# KiCad board Djinn.kicad_pcb (continued)
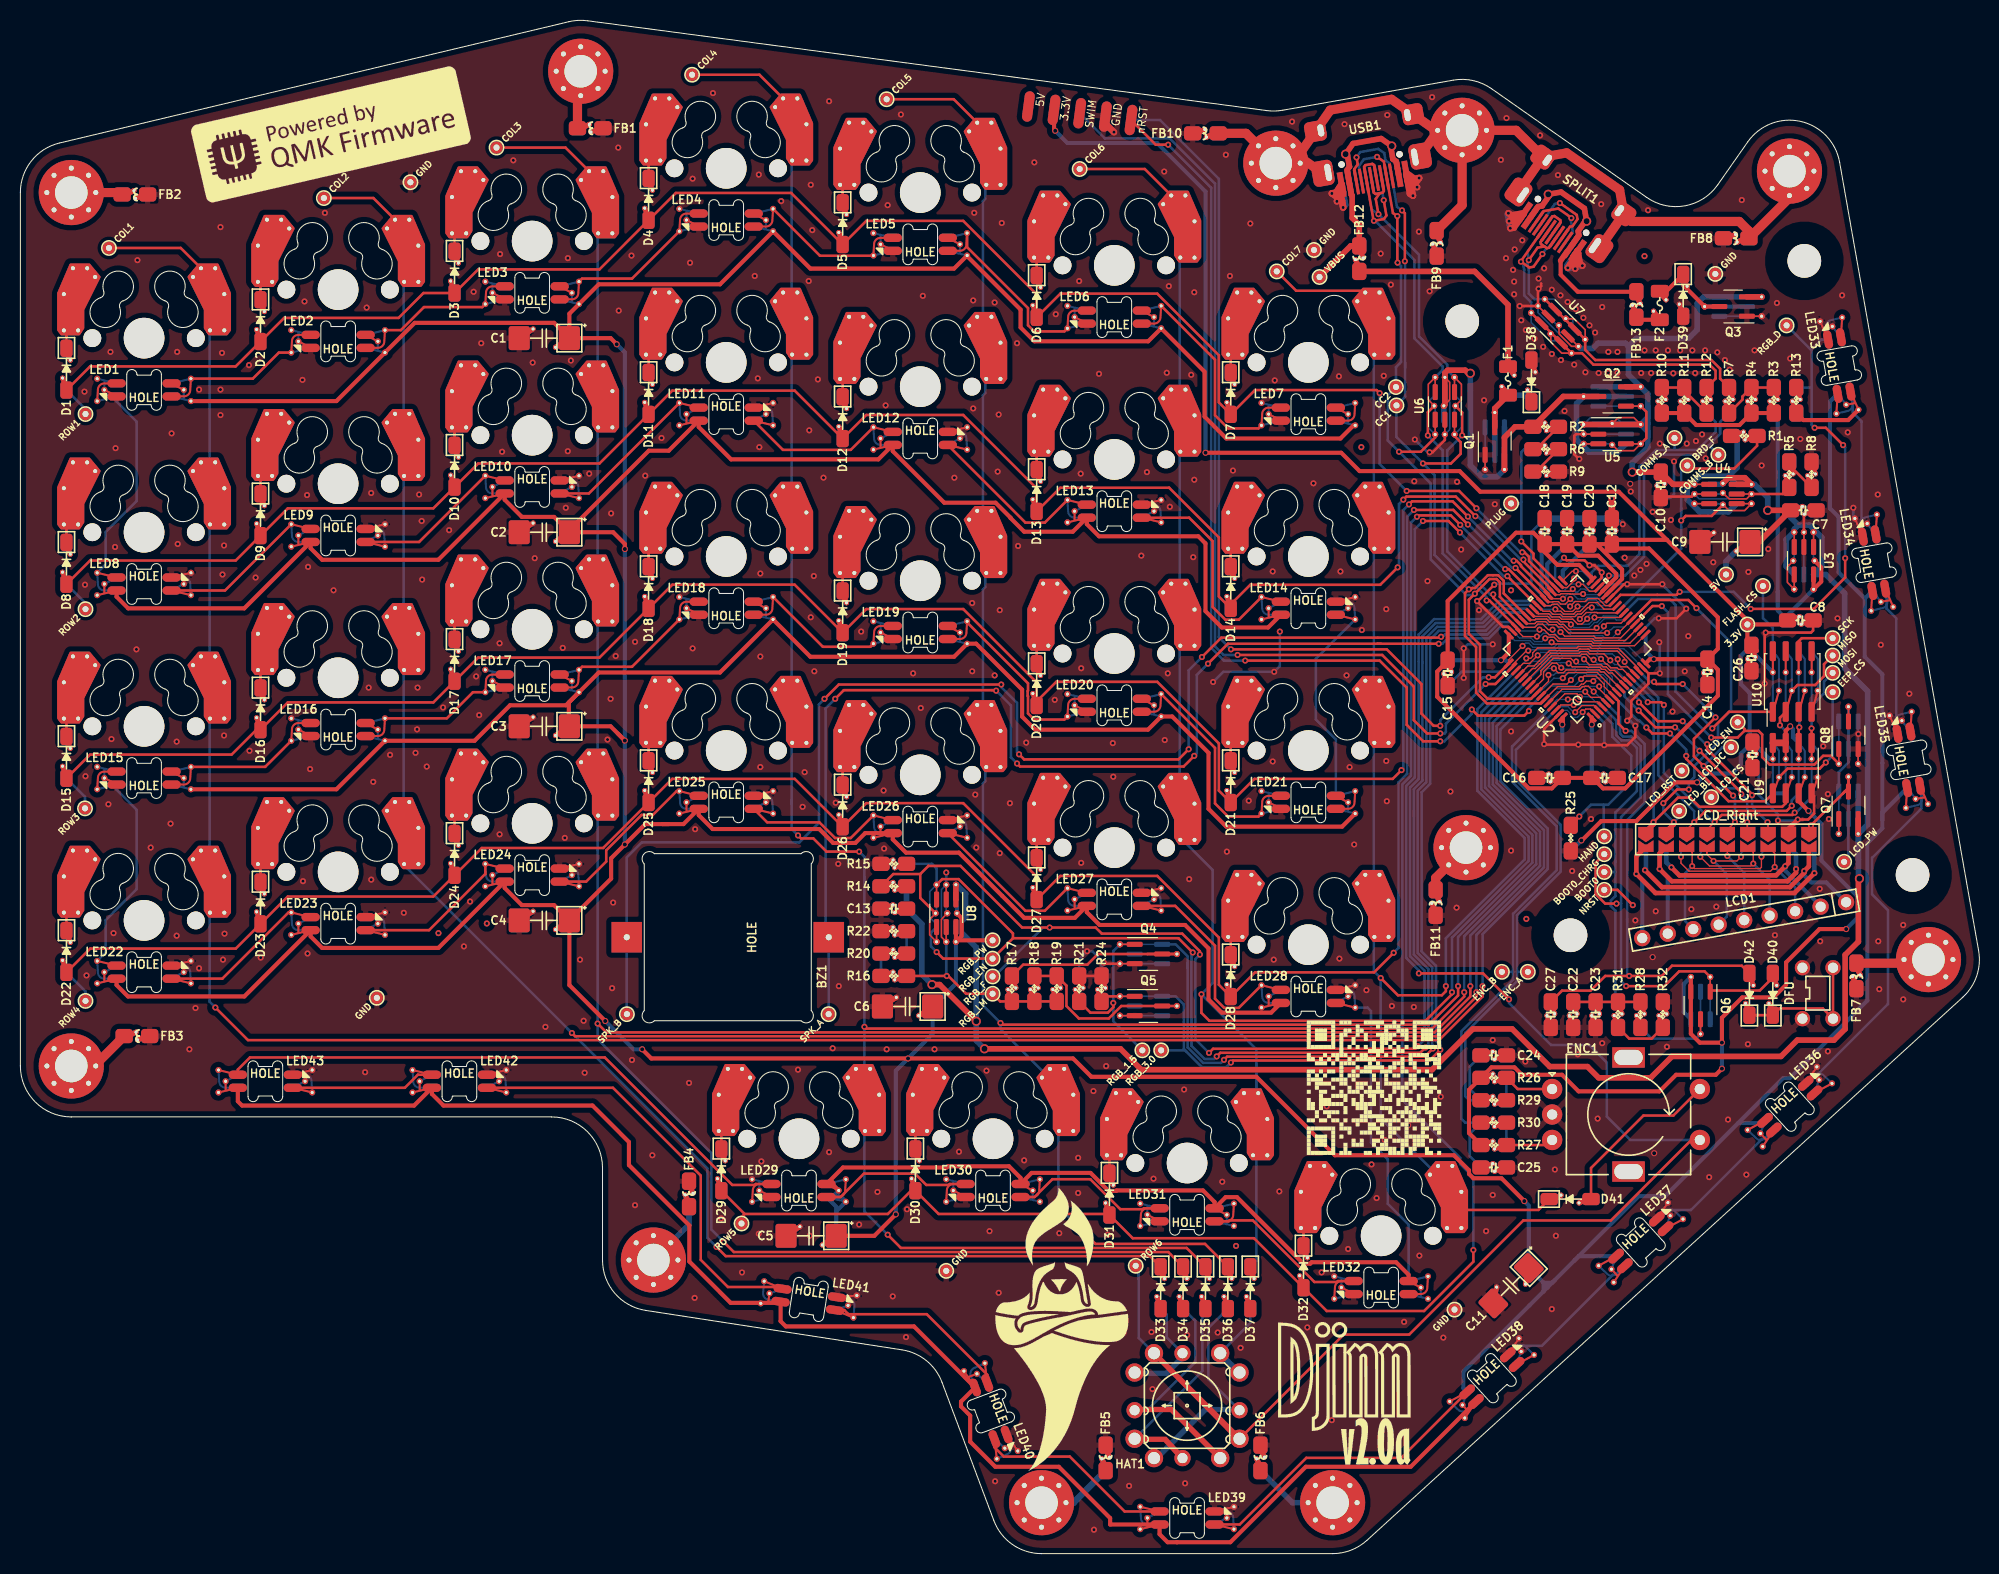
[diagram p0: board, top side]
## Footprints (pads in the part's own frame, mm; a bottom-side part is the same pattern mirrored in y, then rotated) (continued)
  round 1.75 hole 1.75 unplated: (-5.08,0) (5.08,0)
  round 3.988 hole 3.988 unplated: (0,0)
  round 0.8 hole 0.4: 1(-7.874,4.318) 1(-7.874,0.762) 1(-6.985,6.858) 1(-6.477,0.762) 1(-5.588,6.858) 1(-4.8,6) 2(4.8,6) 2(5.588,6.858) 2(6.477,0.762) 2(6.985,6.858) 2(7.874,4.318) 2(7.874,0.762)
  custom 2.35x2.5 smd far side: 1(-7.285,2.54)
  rect 2.35x2.5 smd far side: 1(-7.2,2.54)
  custom 2.15x2.5 smd: 1(-6.499,5.067)
  rect 2.15x2.5 smd: 1(-6.399,5.067)
  rect 2.15x2.5 smd far side: 2(6.425,5.067)
  custom 2.15x2.5 smd far side: 2(6.425,5.067)
  rect 2.35x2.5 smd: 2(7.212,2.54)
  custom 2.35x2.5 smd: 2(7.212,2.54)
Piezo-KLJ-1625
  rect 3x3 hole 0.6: 1(0,9.916) 2(0,-9.916)
PushButton_4.5mm
  round 1.5 hole 1: 1(-1.5,2.5) 1(-1.5,-2.5) 2(1.5,2.5) 2(1.5,-2.5)
R-0805_2012Metric
  rrect 1.701x1.4 smd: 1(-1.251,0) 2(1.251,0)
R-0805_2012Metric#2
  rrect 1.701x1.4 smd: 1(-1.251,0) 2(1.251,0)
  rrect 1.701x1.4 smd far side: 1(-1.251,0) 2(1.251,0)
  custom 1.262x0.881 smd: 1(-0.851,0) 2(0.851,0)
  custom 1.262x0.881 smd far side: 1(-0.851,0) 2(0.851,0)
  round 0.5 hole 0.3: 1(-0.089,0.381) 2(0.07,-0.381)
SK6812Mini-E
  custom 1.433x0.835 smd: 1(2.7,0.64) 3(-2.7,-0.64)
  oval 1.8x0.82 smd: 1(2.7,0.64) 2(2.7,-0.64) 3(-2.7,-0.64) 4(-2.7,0.64)
  custom 2.133x1.3 smd far side: 1(2.7,-0.64) 3(-2.7,0.64)
  oval 1.8x0.82 smd far side: 1(2.7,-0.64) 2(2.7,0.64) 3(-2.7,0.64) 4(-2.7,-0.64)
  round 0.6 hole 0.3: 1(3.9,0) 1(4.6,-1.1) 2(4.6,1.1) 3(-4.6,1.1) 3(-3.9,0) 4(-4.6,-1.1)
  custom 2.1x0.665 smd far side: 2(2.7,0.64) 4(-2.7,-0.64)
  custom 2.1x1.935 smd: 2(2.7,-0.64) 4(-2.7,0.64)
SOIC-8_3.9x4.9mm_P1.27mm
  custom 1.908x0.913 smd: 1(-2.5,1.905)
  rrect 1.95x0.6 smd: 1(-2.475,1.905) 2(-2.475,0.635) 3(-2.475,-0.635) 4(-2.475,-1.905) 5(2.475,-1.905) 6(2.475,-0.635) 7(2.475,0.635) 8(2.475,1.905)
  round 0.6 hole 0.3: 1(-0.9,1.305) 2(-0.9,0.035) 3(-0.9,-1.235) 4(-0.9,-2.505) 5(0.9,-1.905) 6(0.9,-0.635) 7(0.9,0.635) 8(0.9,1.905)
  rrect 1.95x0.6 smd far side: 1(2.475,1.905) 2(2.475,0.635) 3(2.475,-0.635) 4(2.475,-1.905) 5(-2.475,-1.905) 6(-2.475,-0.635) 7(-2.475,0.635) 8(-2.475,1.905)
  custom 3.708x0.913 smd far side: 1(2.5,1.905)
  custom 1.908x0.908 smd: 2(-2.5,0.635) 3(-2.5,-0.635)
  custom 3.708x0.908 smd far side: 2(2.5,0.635) 3(2.5,-0.635)
  custom 1.908x0.918 smd: 4(-2.5,-1.905)
  custom 3.708x0.918 smd far side: 4(2.5,-1.905)
  custom 3.708x0.416 smd far side: 5(-2.5,-1.905) 6(-2.5,-0.635) 7(-2.5,0.635) 8(-2.5,1.905)
  custom 1.908x0.416 smd: 5(2.5,-1.905) 6(2.5,-0.635) 7(2.5,0.635) 8(2.5,1.905)
SOIC-8_5.23x5.23mm_P1.27mm
  custom 2.408x0.913 smd: 1(-3,1.905)
  rrect 1.95x0.6 smd: 1(-2.975,1.905) 2(-2.975,0.635) 3(-2.975,-0.635) 4(-2.975,-1.905) 5(2.975,-1.905) 6(2.975,-0.635) 7(2.975,0.635) 8(2.975,1.905)
  round 0.6 hole 0.3: 1(-0.9,1.305) 2(-0.9,0.035) 3(-0.9,-1.235) 4(-0.9,-2.505) 5(0.9,-1.905) 6(0.9,-0.635) 7(0.9,0.635) 8(0.9,1.905)
  rrect 1.95x0.6 smd far side: 1(2.975,1.905) 2(2.975,0.635) 3(2.975,-0.635) 4(2.975,-1.905) 5(-2.975,-1.905) 6(-2.975,-0.635) 7(-2.975,0.635) 8(-2.975,1.905)
  custom 4.208x0.913 smd far side: 1(3,1.905)
  custom 2.408x0.908 smd: 2(-3,0.635) 3(-3,-0.635)
  custom 4.208x0.908 smd far side: 2(3,0.635) 3(3,-0.635)
  custom 2.408x0.918 smd: 4(-3,-1.905)
  custom 4.208x0.918 smd far side: 4(3,-1.905)
  custom 4.208x0.416 smd far side: 5(-3,-1.905) 6(-3,-0.635) 7(-3,0.635) 8(-3,1.905)
  custom 2.408x0.416 smd: 5(3,-1.905) 6(3,-0.635) 7(3,0.635) 8(3,1.905)
SolderJumper-1.0x1.5mm_x9
  custom 1.5x1.5 smd: 1(-8,0.725) 3(-6,0.725) 5(-4,0.725) 7(-2,0.725) 9(0,0.725) 11(2,0.725) 13(4,0.725) 15(6,0.725) 17(8,0.725)
  custom 1.5x1.15 smd: 2(-8,-0.725) 4(-6,-0.725) 6(-4,-0.725) 8(-2,-0.725) 10(0,-0.725) 12(2,-0.725) 14(4,-0.725) 16(6,-0.725) 18(8,-0.725)
SOT-23-3
  round 0.6 hole 0.3: 1(-2.8,0.95) 2(-2.8,-0.95) 3(2.8,0)
  custom 2.5x0.6 smd: 1(-2.8,0.95) 2(-2.8,-0.95) 3(2.8,0)
  custom 5.2x0.6 smd far side: 1(-2.8,0.95) 2(-2.8,-0.95) 3(2.8,0)
  rrect 1.56x0.495 smd: 1(-1.35,0.95) 2(-1.35,-0.95) 3(1.35,0)
  rrect 1.56x0.495 smd far side: 1(1.35,0.95) 2(1.35,-0.95) 3(-1.35,0)
SOT-23-5
  round 0.6 hole 0.3: 1(-2.8,0.95) 2(-2.8,0) 3(-2.8,-0.95) 4(0,-1.05) 4(2.8,-0.95) 5(0,1.05) 5(2.8,0.95)
  custom 2.5x0.6 smd: 1(-2.8,0.95) 2(-2.8,0) 3(-2.8,-0.95) 4(2.8,-0.95) 5(2.8,0.95)
  custom 5.2x1.055 smd far side: 1(-2.8,0.95) 3(-2.8,-0.95)
  rrect 1.56x0.495 smd: 1(-1.35,0.95) 2(-1.35,0) 3(-1.35,-0.95) 4(1.35,-0.95) 5(1.35,0.95)
  rrect 1.56x0.495 smd far side: 1(1.35,0.95) 2(1.35,0) 3(1.35,-0.95) 4(-1.35,-0.95) 5(-1.35,0.95)
  custom 5.2x0.6 smd far side: 2(-2.8,0)
  custom 2.4x0.6 smd far side: 4(0,-1.05) 5(0,1.05)
  custom 3.4x1.055 smd: 4(2.8,-0.95) 5(2.8,0.95)
SOT-23-6
  round 0.6 hole 0.3: 1(-2.8,0.95) 2(-2.8,0) 3(-2.8,-0.95) 4(0,-1.05) 4(2.8,-0.95) 5(0,0.1) 5(2.8,0) 6(0,1.05) 6(2.8,0.95)
  custom 2.5x0.6 smd: 1(-2.8,0.95) 2(-2.8,0) 3(-2.8,-0.95) 4(2.8,-0.95) 5(2.8,0) 6(2.8,0.95)
  custom 5.2x1.055 smd far side: 1(-2.8,0.95) 3(-2.8,-0.95)
  rrect 1.56x0.495 smd: 1(-1.35,0.95) 2(-1.35,0) 3(-1.35,-0.95) 4(1.35,-0.95) 5(1.35,0) 6(1.35,0.95)
  rrect 1.56x0.495 smd far side: 1(1.35,0.95) 2(1.35,0) 3(1.35,-0.95) 4(-1.35,-0.95) 5(-1.35,0) 6(-1.35,0.95)
  custom 5.2x0.855 smd far side: 2(-2.8,0)
  custom 2.4x0.6 smd far side: 4(0,-1.05) 5(0,0.1) 6(0,1.05)
  custom 3.4x1.055 smd: 4(2.8,-0.95) 6(2.8,0.95)
  custom 3.4x0.955 smd: 5(2.8,0)
STLink_SideSocket
  oval 3x1 smd: 1(2.65,5.08) 3(2.65,2.54) 5(2.65,0) 7(2.65,-2.54) 9(2.65,-5.08)
  oval 3x1 smd far side: 2(2.65,5.08) 4(2.65,2.54) 6(2.65,0) 8(2.65,-2.54) 10(2.65,-5.08)
STM32G474RETx
  rrect 1.199x0.299 smd: 1(-5.75,3.75) 2(-5.75,3.25) 3(-5.75,2.75) 4(-5.75,2.25) 5(-5.75,1.75) 6(-5.75,1.25) 7(-5.75,0.75) 8(-5.75,0.25) 9(-5.75,-0.25) 10(-5.75,-0.75) 11(-5.75,-1.25) 12(-5.75,-1.75) 13(-5.75,-2.25) 14(-5.75,-2.75) 15(-5.75,-3.25) 16(-5.75,-3.75) 33(5.75,-3.75) 34(5.75,-3.25) 35(5.75,-2.75) 36(5.75,-2.25) 37(5.75,-1.75) 38(5.75,-1.25) 39(5.75,-0.75) 40(5.75,-0.25) 41(5.75,0.25) 42(5.75,0.75) 43(5.75,1.25) 44(5.75,1.75) 45(5.75,2.25) 46(5.75,2.75) 47(5.75,3.25) 48(5.75,3.75)
  rrect 0.299x1.199 smd: 17(-3.75,-5.75) 18(-3.25,-5.75) 19(-2.75,-5.75) 20(-2.25,-5.75) 21(-1.75,-5.75) 22(-1.25,-5.75) 23(-0.75,-5.75) 24(-0.25,-5.75) 25(0.25,-5.75) 26(0.75,-5.75) 27(1.25,-5.75) 28(1.75,-5.75) 29(2.25,-5.75) 30(2.75,-5.75) 31(3.25,-5.75) 32(3.75,-5.75) 49(3.75,5.75) 50(3.25,5.75) 51(2.75,5.75) 52(2.25,5.75) 53(1.75,5.75) 54(1.25,5.75) 55(0.75,5.75) 56(0.25,5.75) 57(-0.25,5.75) 58(-0.75,5.75) 59(-1.25,5.75) 60(-1.75,5.75) 61(-2.25,5.75) 62(-2.75,5.75) 63(-3.25,5.75) 64(-3.75,5.75)
TestPoint
  round 1.2 hole 0.6: 1(0,0)

## Nets
+3V3: C8.1 C12.1 C14.1 C15.1 C16.1 C17.1 C18.1 C19.1 C20.1 C21.1 C26.1 J1.7 J1.8 Q6.2 R3.1 R4.1 R10.1 R11.1 R23.1 R26.1 R27.1 TP5.1 U1.1 U1.16 U1.28 U1.29 U1.32 U1.48 U1.64 U2.1 U2.16 U2.28 U2.29 U2.32 U2.48 U2.64 U3.5 U9.3 U9.7 U9.8 U10.8
/VBUS_BLOCKED: Q1.2 Q2.3 R2.1 U5.3 U6.5
/VBUS_FERRITE: F1.2 FB12.1
/VBUS_FUSED: D38.1 F1.1 Q1.3
/VBUS_TRS: FB13.1 SPLIT1.A4 SPLIT1.B4
/VBUS_TRS_FERRITE: F2.2 FB13.2
/VBUS_TRS_FUSED: D39.1 F2.1 Q3.3
GND: C1.2 C2.2 C3.2 C4.2 C5.2 C6.2 C7.2 C8.2 C9.2 C10.2 C11.2 C12.2 C13.2 C14.2 C15.2 C16.2 C17.2 C18.2 C19.2 C20.2 C21.2 C22.1 C23.1 C24.2 C25.2 C26.2 C27.1 D38.2 D39.2 ENC1.C FB1.2 FB2.2 FB3.2 FB4.2 FB5.2 FB6.2 FB7.2 FB8.2 FB9.2 FB10.2 FB11.2 J1.3 J1.4 J2.3 J3.15 LED1.3 LED2.3 LED3.3 LED4.3 LED5.3 LED6.3 LED7.3 LED8.3 LED9.3 LED10.3 LED11.3 LED12.3 LED13.3 LED14.3 LED15.3 LED16.3 LED17.3 LED18.3 LED19.3 LED20.3 LED21.3 LED22.3 LED23.3 LED24.3 LED25.3 LED26.3 LED27.3 LED28.3 LED29.3 LED30.3 LED31.3 LED32.3 LED33.3 LED34.3 LED35.3 LED36.3 LED37.3 LED38.3 LED39.3 LED40.3 LED41.3 LED42.3 LED43.3 Q1.1 Q3.1 Q4.2 Q5.2 Q8.2 R8.2 R9.2 R15.2 R21.2 R22.2 R24.2 R25.1 R32.2 RESET1.1 SPLIT1.A1 SPLIT1.B1 TP48.1 TP50.1 TP51.1 TP52.1 TP53.1 TP54.1 U1.15 U1.27 U1.31 U1.47 U1.63 U2.15 U2.27 U2.31 U2.47 U2.63 U3.2 U4.2 U5.2 U6.2 U7.2 U8.2 U9.4 U10.4 USB1.A1 USB1.B1
VBUS: C10.1 Q2.2 Q3.2 R1.1 U4.1 U4.3 U5.1 U5.5 U7.5
VDD: C7.1 C9.1 C13.1 Q7.2 R14.1 TP3.1 U3.1 U3.3 U4.6 U8.1
/SHIELD1: DRILL1.1 FB1.1
/SHIELD2: DRILL2.1 FB2.1
/SHIELD3: DRILL3.1 FB3.1
/SHIELD4: DRILL4.1 FB4.1
/SHIELD5: DRILL5.1 FB5.1
/SHIELD6: DRILL6.1 FB6.1
/SHIELD7: DRILL7.1 FB7.1
/SHIELD11: DRILL11.1 FB11.1
/SPLIT_COMMS_CONN+: R12.2 SPLIT1.A6 SPLIT1.B6 U7.3 U7.4
/SPLIT_COMMS_CONN-: R7.2 SPLIT1.A7 SPLIT1.B7 U7.1 U7.6
BOARD_NFAULT: R1.2 TP7.1 U1.41 U2.41 U4.4
BOOT0: C22.2 C23.2 R28.2 R31.2 TP9.1 U1.61 U2.61
BOOT0_CHRG: D40.2 Q6.1 TP11.1 U1.60 U2.60
CC1: TP39.1 U1.43 U1.59 U2.43 U2.59 U6.3 USB1.B5
CC2: TP41.1 U1.44 U1.57 U2.44 U2.57 U6.1 USB1.A5
COL1: SW1.2 SW8.2 SW15.2 SW22.2 TP10.1 U1.8 U2.8
COL2: D33.1 SW2.2 SW9.2 SW16.2 SW23.2 TP12.1 U1.9 U2.9
COL3: D34.1 SW3.2 SW10.2 SW17.2 SW24.2 TP13.1 U1.10 U2.10
COL4: D35.1 SW4.2 SW11.2 SW18.2 SW25.2 SW29.2 TP15.1 U1.11 U2.11
COL5: D36.1 SW5.2 SW12.2 SW19.2 SW26.2 SW30.2 TP17.1 U1.12 U2.12
COL6: D37.1 SW6.2 SW13.2 SW20.2 SW27.2 SW31.2 TP19.1 U1.13 U2.13
COL7: D41.1 SW7.2 SW14.2 SW21.2 SW28.2 SW32.2 TP21.1 U1.14 U2.14
CURR_1500mA_OK: Q4.1 R21.1 TP26.1 U1.23 U2.23
CURR_3000mA_OK: Q5.1 R24.1 TP28.1 U1.22 U2.22
CURR_LIM: R16.1 R17.1 R18.1 R19.1 TP30.1 U8.5
D+: U1.46 U2.46 U6.6 USB1.A6 USB1.B6
D-: U1.45 U2.45 U6.4 USB1.A7 USB1.B7
EEP_CS: TP44.1 U1.58 U2.58 U9.1
ENC_A: C24.1 R29.1 TP47.1 U1.3 U2.3
ENC_B: C25.1 R30.1 TP49.1 U1.4 U2.4
FLASH_CS: TP46.1 U1.42 U2.42 U10.1
LCD_BL_PWM: J2.15 J3.3 TP42.1 U1.21 U2.21
LCD_CS: J2.5 J3.13 TP36.1 U1.55 U2.55
LCD_DC: J2.9 J3.9 TP38.1 U1.51 U2.51
LCD_EN: Q8.1 TP34.1 U1.20 U2.20
LCD_L1_R9: J2.2 J3.2 LCD1.9
LCD_L2_R8: J2.4 J3.4 LCD1.8
LCD_L3_R7: J2.6 J3.6 LCD1.7
LCD_L4_R6: J2.8 J3.8 LCD1.6
LCD_L5_R5: J2.10 J3.10 LCD1.5
LCD_L6_R4: J2.12 J3.12 LCD1.4
LCD_L7_R3: J2.14 J3.14 LCD1.3
LCD_L8_R2: J2.16 J3.16 LCD1.2
LCD_L9_R1: J2.18 J3.18 LCD1.1
LCD_PWR: J2.1 J3.17 Q7.3 TP33.1
LCD_RST: J2.7 J3.11 TP40.1 U1.56 U2.56
MISO: J2.17 J3.1 TP4.1 U1.53 U2.53 U9.2 U10.2
MOSI: J2.11 J3.7 TP6.1 U1.54 U2.54 U9.5 U10.5
NRST: C27.2 D42.2 J1.1 TP8.1 U1.7 U2.7
PIEZO_A: BZ1.1 TP35.1 U1.18 U2.18
PIEZO_B: BZ1.2 TP37.1 U1.19 U2.19
PLUG_DETECT: R2.2 R6.1 TP45.1 U1.34 U2.34
ROT_A: ENC1.A R26.2 R29.2
ROT_B: ENC1.B R27.2 R30.2
ROW1: D1.2 D2.2 D3.2 D4.2 D5.2 D6.2 D7.2 TP23.1 U1.35 U2.35
ROW2: D8.2 D9.2 D10.2 D11.2 D12.2 D13.2 D14.2 TP25.1 U1.36 U2.36
ROW3: D15.2 D16.2 D17.2 D18.2 D19.2 D20.2 D21.2 TP27.1 U1.37 U2.37
ROW4: D22.2 D23.2 D24.2 D25.2 D26.2 D27.2 D28.2 TP29.1 U1.38 U2.38
ROW5: D29.2 D30.2 D31.2 D32.2 TP31.1 U1.39 U2.39
ROW6: ENC1.S1 HAT1.4 TP32.1 U1.40 U2.40
SCK: J2.13 J3.5 TP2.1 U1.52 U2.52 U9.6 U10.6
SHIELD: DRILL8.1 DRILL9.1 DRILL10.1 FB8.1 FB9.1 FB10.1 SPLIT1.S1 USB1.S1
SK6812_EN: R15.1 TP20.1 U1.24 U2.24 U8.3
SK6812_MTRX_IN: LED29.4 LED43.2
SK6812_NFAULT: R14.2 TP24.1 U1.25 U2.25 U8.4
SK6812_PWM: LED33.4 R13.2 TP22.1 U1.26 U2.26
SK6812_PWR: C1.1 C2.1 C3.1 C4.1 C5.1 C6.1 C11.1 LED1.1 LED2.1 LED3.1 LED4.1 LED5.1 LED6.1 LED7.1 LED8.1 LED9.1 LED10.1 LED11.1 LED12.1 LED13.1 LED14.1 LED15.1 LED16.1 LED17.1 LED18.1 LED19.1 LED20.1 LED21.1 LED22.1 LED23.1 LED24.1 LED25.1 LED26.1 LED27.1 LED28.1 LED29.1 LED30.1 LED31.1 LED32.1 LED33.1 LED34.1 LED35.1 LED36.1 LED37.1 LED38.1 LED39.1 LED40.1 LED41.1 LED42.1 LED43.1 R13.1 TP18.1 U8.6
SPLIT_COMMS+: R10.2 R11.2 R12.1 TP14.1 U1.33 U2.33
SPLIT_COMMS-: R3.2 R4.2 R7.1 TP16.1 U1.30 U2.30
SPLIT_HAND_PIN: R23.2 R25.2 TP43.1 U1.62 U2.62
SWCLK: J1.6 U1.50 U2.50
SWDIO: J1.2 U1.49 U2.49
V_USB: FB12.2 TP1.1 USB1.A4 USB1.B4
Net-(D1-Pad1): D1.1 SW1.1
Net-(D2-Pad1): D2.1 SW2.1
Net-(D3-Pad1): D3.1 SW3.1
Net-(D4-Pad1): D4.1 SW4.1
Net-(D5-Pad1): D5.1 SW5.1
Net-(D6-Pad1): D6.1 SW6.1
Net-(D7-Pad1): D7.1 SW7.1
Net-(D8-Pad1): D8.1 SW8.1
Net-(D9-Pad1): D9.1 SW9.1
Net-(D10-Pad1): D10.1 SW10.1
Net-(D11-Pad1): D11.1 SW11.1
Net-(D12-Pad1): D12.1 SW12.1
Net-(D13-Pad1): D13.1 SW13.1
Net-(D14-Pad1): D14.1 SW14.1
Net-(D15-Pad1): D15.1 SW15.1
Net-(D16-Pad1): D16.1 SW16.1
Net-(D17-Pad1): D17.1 SW17.1
Net-(D18-Pad1): D18.1 SW18.1
Net-(D19-Pad1): D19.1 SW19.1
Net-(D20-Pad1): D20.1 SW20.1
Net-(D21-Pad1): D21.1 SW21.1
Net-(D22-Pad1): D22.1 SW22.1
Net-(D23-Pad1): D23.1 SW23.1
Net-(D24-Pad1): D24.1 SW24.1
Net-(D25-Pad1): D25.1 SW25.1
Net-(D26-Pad1): D26.1 SW26.1
Net-(D27-Pad1): D27.1 SW27.1
Net-(D28-Pad1): D28.1 SW28.1
Net-(D29-Pad1): D29.1 SW29.1
Net-(D30-Pad1): D30.1 SW30.1
Net-(D31-Pad1): D31.1 SW31.1
Net-(D32-Pad1): D32.1 SW32.1
Net-(D33-Pad2): D33.2 HAT1.1
Net-(D34-Pad2): D34.2 HAT1.2
Net-(D35-Pad2): D35.2 HAT1.3
Net-(D36-Pad2): D36.2 HAT1.5
Net-(D37-Pad2): D37.2 HAT1.6
Net-(D40-Pad1): D40.1 D42.1 RESET1.2
Net-(D41-Pad2): D41.2 ENC1.S2
Net-(LED1-Pad2): LED1.2 LED2.4
Net-(LED1-Pad4): LED1.4 LED8.2
Net-(LED2-Pad2): LED2.2 LED3.4
Net-(LED3-Pad2): LED3.2 LED4.4
Net-(LED4-Pad2): LED4.2 LED5.4
Net-(LED5-Pad2): LED5.2 LED6.4
Net-(LED6-Pad2): LED6.2 LED7.4
Net-(LED7-Pad2): LED7.2
Net-(LED8-Pad4): LED8.4 LED9.2
Net-(LED10-Pad2): LED9.4 LED10.2
Net-(LED10-Pad4): LED10.4 LED11.2
Net-(LED11-Pad4): LED11.4 LED12.2
Net-(LED12-Pad4): LED12.4 LED13.2
Net-(LED13-Pad4): LED13.4 LED14.2
Net-(LED14-Pad4): LED14.4 LED21.2
Net-(LED15-Pad2): LED15.2 LED16.4
Net-(LED15-Pad4): LED15.4 LED22.2
Net-(LED16-Pad2): LED16.2 LED17.4
Net-(LED17-Pad2): LED17.2 LED18.4
Net-(LED18-Pad2): LED18.2 LED19.4
Net-(LED19-Pad2): LED19.2 LED20.4
Net-(LED20-Pad2): LED20.2 LED21.4
Net-(LED22-Pad4): LED22.4 LED23.2
Net-(LED23-Pad4): LED23.4 LED24.2
Net-(LED24-Pad4): LED24.4 LED25.2
Net-(LED25-Pad4): LED25.4 LED26.2
Net-(LED26-Pad4): LED26.4 LED27.2
Net-(LED27-Pad4): LED27.4 LED28.2
Net-(LED28-Pad4): LED28.4 LED32.2
Net-(LED29-Pad2): LED29.2 LED30.4
Net-(LED30-Pad2): LED30.2 LED31.4
Net-(LED31-Pad2): LED31.2 LED32.4
Net-(LED33-Pad2): LED33.2 LED34.4
Net-(LED34-Pad2): LED34.2 LED35.4
Net-(LED35-Pad2): LED35.2 LED36.4
Net-(LED36-Pad2): LED36.2 LED37.4
Net-(LED37-Pad2): LED37.2 LED38.4
Net-(LED38-Pad2): LED38.2 LED39.4
Net-(LED39-Pad2): LED39.2 LED40.4
Net-(LED40-Pad2): LED40.2 LED41.4
Net-(LED41-Pad2): LED41.2 LED42.4
Net-(LED42-Pad2): LED42.2 LED43.4
Net-(Q2-Pad1): Q2.1 U5.4
Net-(Q4-Pad3): Q4.3 R17.2
Net-(Q5-Pad3): Q5.3 R18.2 R19.2
Net-(Q6-Pad3): Q6.3 R28.1
Net-(Q7-Pad1): Q7.1 Q8.3
Net-(R5-Pad1): R5.1 U4.5
Net-(R5-Pad2): R5.2 R8.1
Net-(R6-Pad2): R6.2 R9.1
Net-(R16-Pad2): R16.2 R20.2
Net-(R20-Pad1): R20.1 R22.1
Net-(R31-Pad1): R31.1 R32.1
Net-(SPLIT1-PadA5): SPLIT1.A5
Net-(SPLIT1-PadB5): SPLIT1.B5
Net-(U1-Pad2): U1.2 U2.2
Net-(U1-Pad5): U1.5 U2.5
Net-(U1-Pad6): U1.6 U2.6
Net-(U1-Pad17): U1.17 U2.17
Net-(U3-Pad4): U3.4
Net-(U10-Pad3): U10.3
Net-(U10-Pad7): U10.7

Pads without a net: ENC1 MP; J1 5 9 10; SPLIT1 ~; USB1 ~

## Via types
v1: diameter 0.6, hole 0.3, Top to Bottom, 674 vias
v2: diameter 0.6, hole 0.4, Top to Bottom, 26 vias
v3: diameter 0.9, hole 0.6, Top to Bottom, 11 vias

## Routing (per net, layer and track width the routed paths; a pad name or vN(x,y) marks a point on that pad's centre or on a via; arc(x,y) is an arc through that point)
+3V3: length 453
  Top w0.203: 154.58,81.75 U2.1 ; 151.06,81.71 U2.64
  Top w0.4: U2.16 159.97,87.79 v2(160.36,87.79) C14.1 ; 161.64,99.5 156.92,104.22 143.32,104.22 141.29,106.25 131.47,106.25 129.67,108.05 v2(116.35,108.05) ; 161.64,99.5 169.54,91.6 TP5.1 ; 161.64,99.5 156.66,99.5 C12.1 ; C14.1 166.65,86.76 166.65,84.2 157.55,75.11 155.38,75.11 154.67,75.82 C17.1 ; C14.1 166.64,88.81 166.64,91.9 159.89,98.65 156.68,98.65 C12.1 ; Q6.2 163.99,51.02 164.87,50.15 v2(167.04,50.15) 167.04,52.6 169.04,54.59 172.1,54.59 173.34,55.84 173.34,58.02 176.62,61.3 v2(179.24,61.3) ; U2.1 154.25,81.39 v2(154.27,81.37) ; U2.48 146.12,88.45 v2(145.36,87.69) ; C18.1 149.64,98.3 150.9,97.05 153.01,97.05 154.25,95.8 U2.32 ; C18.1 C19.1 ; C18.1 148.53,100.2 146.83,100.2 140.12,93.49 C15.1 140.12,87.6 139.09,86.57 139.09,84.1 148.09,75.11 150.34,75.11 C16.1 C17.1 ; v2(153.24,70) 153.29,70 155.19,71.9 158.64,71.9 162.44,75.7 164.6,75.7 v2(164.6,75.7) ; U3.5 U3.5 176.79,95.4 176.79,96.8 U3.5 ; TP5.1 173.09,91.2 C8.1 ; TP5.1 169.54,89.55 C26.1 170.49,88.6 ; U2.28 157.24,95.67 157.24,96.59 154.74,99.09 C20.1 ; C19.1 152.98,97.95 154.89,97.95 156.67,96.17 156.67,95.83 155.31,94.47 U2.29 ; C19.1 C20.1 ; C12.1 C20.1 ; 161.14,111.95 163.34,111.95 164.52,110.77 168.77,110.77 169.94,111.95 R3.1 ; J1.7 101.48,139.76 v2(101.59,139.65) ; v2(167.04,47.6) 166.44,47 162.54,47 160.92,45.37 152.97,45.37 151.34,47 147.4,47 146.68,47.73 144.42,47.73 142.22,45.52 142.22,41.28 143.39,40.1 ; U9.7 173.31,80.77 v2(173.74,81.2) ; v2(151.37,81.37) 151.43,81.43 U2.64 ; 170.12,79.57 C21.1 ; v2(175.54,72.9) 174.58,73.86 U9.3
  Top w0.65: U9.8 U9.7
  Bottom w0.203: 154.58,81.75 U2.1 ; 151.06,81.71 U2.64 ; 146.12,87.37 U1.16
  Bottom w0.4: C21.1 171.69,78 U9.8 ; C21.1 168.89,78.5 168.89,77.45 168.01,76.57 165.48,76.57 v2(164.6,75.7) ; C21.1 169.77,79.93 169.77,84.48 168.92,85.33 168.92,88.12 C26.1 169.94,88.6 U10.8 ; C15.1 v2(145.36,87.69) 145.81,87.69 U1.16 ; 172.52,94.42 172.52,111.57 172.14,111.95 ; 172.52,94.42 172.52,93.37 ; 172.52,94.42 172.52,92.57 C8.1 173.49,92.1 U3.5 ; U9.8 172.06,74.62 U9.7 ; C17.1 v2(154.27,81.37) 154.27,82.06 U2.1 ; Q6.2 163.29,55.9 163.29,53.15 Q6.2 ; C18.1 149.34,98.79 149.34,94.76 U1.28 ; v2(175.54,72.9) 176.81,71.63 176.81,68.03 180.36,64.48 180.36,62.42 v2(179.24,61.3) ; v2(116.35,108.05) 116.35,133.68 111.59,138.45 102.79,138.45 v2(101.59,139.65) 101.48,139.76 J1.7 ; U1.48 159.56,88.59 v2(160.36,87.79) ; U1.29 149.89,94.92 149.89,97.13 C19.1 ; v2(167.04,50.15) v2(167.04,47.6) ; v2(153.24,70) 152.22,68.98 R23.1 ; U1.32 151.43,96.47 C20.1 ; v2(173.74,81.2) 174.02,80.93 174.02,80.14 U9.3 ; 173.49,92 173.84,92 ; U2.64 151.37,82.02 v2(151.37,81.37) C16.1
/VBUS_BLOCKED: length 55.7
  Top w0.55: U6.5 139.84,112.75 U6.5 139.84,115.87 140.12,116.15 141.84,116.15 142.14,115.85 v3(142.34,115.85) ; Q1.2 Q1.2 145.69,109.55 146.74,110.6 R2.1 151.47,113.58 Q2.3
  Bottom w0.55: U5.3 153.47,108.63 153.97,108.12 ; Q2.3 Q2.3 152.77,112.87 152.77,109.33 153.97,108.12 ; 153.97,108.12 156.82,108.12 U5.3 ; Q1.2 Q1.2 144.99,105.7 143.46,105.7 142.34,106.81 v3(142.34,115.85) ; 139.74,111.15 U6.5
/VBUS_FERRITE: length 22.1
  Top w0.55: FB12.1 142.77,125.85 146.04,122.57 146.04,116.4
/VBUS_FUSED: length 10.4
  Top w0.55: F1.1 144.74,112.4 Q1.3 Q1.3
  Bottom w0.55: Q1.3 Q1.3 ; F1.1 147.69,113.7 D38.1
/VBUS_TRS: length 28.2
  Top w0.4: FB13.1 152.89,123.85 151.21,125.53 151.21,126.9
  Top w0.55: 152.25,128.32 153,129.39 152.93,129.79 153.6,130.75 v3(153.76,130.78) 153.54,132.03 151.25,133.64 v3(149.99,133.42) 150.03,133.19 ; 148.24,131.13 148.99,132.2 149.39,132.28 ; 149.39,132.28 150.04,133.19 ; 151.85,127.82 151.21,126.9
  Bottom w0.55: 150.03,133.19 v3(149.99,133.42) ; 148.24,131.13 148.99,132.2 149.39,132.28 ; v3(153.76,130.78) 153.6,130.75 152.93,129.79 153,129.39 152.25,128.32 ; 149.39,132.28 150.04,133.19
/VBUS_TRS_FERRITE: length 2.4
  Top w0.4: 158.64,121.35 158.89,121.1 F2.2
/VBUS_TRS_FUSED: length 12.6
  Top w0.4: Q3.3 Q3.3 163.24,124.5 D39.1 161.59,123.9 F2.1
  Bottom w0.4: Q3.3 Q3.3
GND: length 232.3
  Top w0.127: 173.57,70.83 173.57,71.12 v1(174.49,72.05)
  Top w0.25: v1(151.54,97.75) 151.8,97.5 153.55,97.5 v1(154.04,97) 154.54,97 v1(155.24,96.3) 155.24,95.79 U2.31 ; v1(143,93.49) 145.54,90.96 146.08,90.96 U2.47 ; v1(143,93.49) 143.09,93.49 v1(144.69,95.1) ; v1(143,93.49) 143.94,92.55 ; 159.83,86.4 v1(160.94,86.4) ; 159.83,86.4 159.83,85.38 158.14,83.7 158.14,82.15 v1(157.74,81.75) ; 159.83,86.4 U2.15 ; U6.2 139.84,109.3 138.64,108.1 v1(138.34,108.1) ; v1(161.19,95.15) v1(157.74,95.15) 157.43,95.15 U2.27 ; Q4.2 106.47,57.9 v1(106.37,58) ; v1(153.04,107.45) 152.99,107.45 152.54,107.9 152.54,109.7 152.72,109.88 U5.2 ; U3.2 175.09,102 C7.2 ; v1(141.69,88.85) v1(141.69,85.95) ; C10.2 161.14,103.75 164.09,103.75 U4.2 ; v1(163.54,92.75) 162.59,91.8 v1(160.84,91.8) ; 147.19,122.6 147.34,122.45 148.98,122.45 U7.2 148.99,124.1 v1(149.04,124.15) 149.29,124.4 149.29,124.65 ; U9.4 176.1,74.35 176.1,72.64 175.51,72.05 v1(174.49,72.05) ; U2.63 149.59,80.95 v1(149.59,79.45) 149.64,79.4 v1(152.94,79.4) 155.44,79.4 v1(155.49,79.35) 157.74,79.35 158.54,80.15 v1(158.54,81.25) ; R25.1 152.21,69.71 ; C8.2 175.99,90.6 175.79,90.4 v1(171.34,90.4) 171.24,90.3 v1(171.24,85.4) ; R24.2 R21.2
  Top w0.45: v1(174.49,72.05) 173.58,71.14 J3.15
  Top w0.65: v1(146.15,130.78) 147.18,130.96 SPLIT1.A1 ; SPLIT1.A1 146.39,131.34 v1(146.08,131.56) ; SPLIT1.A1 146.6,130.14 v1(146.27,130.08) ; USB1.A1 136.86,134.93 v1(137.32,135.01) 136.59,133.97 v1(136.71,133.28) 136.42,133.49 USB1.A1 ; USB1.A1 136.19,134.77 v1(137.12,134.11) ; J1.3 106.52,140.36 v1(107.36,139.51) ; v1(129.24,132.72) 129.85,133.59 USB1.A1 ; USB1.A1 129.15,133.57 v1(128.75,133.5) 129.74,132.81 v1(129.86,132.12) 129.51,134.08 USB1.A1 ; v1(152.64,126.11) 152.44,127.24 SPLIT1.A1 ; v1(151.91,126.2) 152.91,127.63 SPLIT1.A1 ; C12.2 v1(156.24,103.55) ; SPLIT1.A1 153.1,126.59 v1(153.34,126.41)
  Bottom w0.127: 173.57,70.83 173.57,71.12 v1(174.49,72.05)
  Bottom w0.203: U1.47 159.92,91.28
  Bottom w0.25: 170.04,77.15 170.64,76.55 170.64,74.48 172.54,72.58 v1(172.54,71.95) 174.39,71.95 v1(174.49,72.05) ; R24.2 106.14,57.78 v1(106.37,58) 105.24,59.12 v1(104.72,59.12) 103.94,58.35 R21.2 ; U8.2 v1(90.89,66.85) ; U1.31 150.67,95.55 150.67,96.88 v1(151.54,97.75) ; U1.15 146.01,86.56 141.5,86.56 C15.2 ; C10.2 161.99,103.65 162.34,104 v1(162.34,107.2) ; v1(123.64,90.5) 123.64,87.1 v1(123.09,86.55) 118.09,86.55 v1(117.09,85.55) ; v1(161.19,95.15) 161.19,95.1 v1(163.54,92.75) ; v1(144.69,95.1) 144.79,95.2 148.2,95.2 U1.27 149.66,93.81 148.34,95.12 148.34,100.29 C18.2 ; LED34.3 179.94,101.75 v1(179.94,102.65) ; v1(157.74,81.75) 158.04,81.75 v1(158.54,81.25) ; v1(141.69,88.85) 142.09,89.25 v1(144.54,89.25) ; v1(157.74,95.15) 155.97,95.15 155.24,95.88 v1(155.24,96.3) ; U1.63 155.49,81.54 v1(155.49,79.35) ; U1.47 160.44,91.8 v1(160.84,91.8) ; C12.2 156.76,101.59 v1(157.31,101.04) ; v1(136.89,109.35) 138.14,108.1 v1(138.34,108.1) ; v1(160.94,86.4) 160.94,89.4 v1(160.89,89.45)
  Bottom w0.45: J3.15 173.58,71.14 v1(174.49,72.05)
  Bottom w0.65: v1(129.24,132.72) 129.85,133.59 USB1.A1 ; SPLIT1.A1 152.44,127.24 v1(152.64,126.11) ; SPLIT1.A1 151.87,126.42 v1(151.91,126.2) 151.95,126.17 v1(153.34,126.41) 153.1,126.59 SPLIT1.A1 ; v1(136.71,133.28) 136.42,133.49 USB1.A1 ; USB1.A1 129.15,133.57 v1(128.75,133.5) ; USB1.A1 130.06,132.41 v1(129.86,132.12) ; v1(137.32,135.01) 136.86,134.93 USB1.A1 ; v1(107.36,139.51) 106.52,140.36 J1.3 ; USB1.A1 136.19,134.77 v1(137.12,134.11) ; SPLIT1.A1 147.18,130.96 v1(146.15,130.78) ; SPLIT1.A1 146.6,130.14 v1(146.27,130.08) 146.02,131.48 v1(146.08,131.56) 146.39,131.34 SPLIT1.A1 ; C12.2 C20.2 C19.2 C18.2
  vias: v1(6.29,114.05) v1(6.34,95.1) v1(6.39,76.3) v1(6.49,56.75) v1(8.64,73.55) v1(8.84,117.95) v1(8.94,79.95) v1(9.14,60.9) v1(9.29,98.8) v1(9.34,108.5) v1(11.39,88.75) v1(11.49,126.95) v1(12.79,69.3) v1(14.74,71.65) v1(14.84,109.95) v1(15.39,117.95) v1(15.34,79.7) v1(15.34,60.65) v1(15.44,99.1) v1(16.59,49.5) v1(17.19,53.55) v1(17.54,114.25) v1(17.54,57.45) v1(19.64,130.2) v1(19.64,114.25) v1(19.64,111.75) v1(19.79,117.85) v1(19.84,96.1) v1(19.99,98.95) v1(19.99,80.3) v1(19.89,58.3) v1(20.04,60.85) v1(22.44,116.65) v1(22.49,78.8) v1(23.09,95.8) v1(23.59,58.5) v1(27.69,115.2) v1(27.74,66) v1(27.89,122.9) v1(28.14,103.9) v1(28.24,96.85) v1(28.19,58.9) v1(28.44,77) v1(29.89,131.6) v1(30.74,94.55) v1(33.84,47.25) v1(33.99,122.3) v1(34.19,85) v1(34.44,104.1) v1(34.44,66.15) v1(34.64,75.75) v1(36.29,78.4) v1(37.64,62.9) v1(38.79,78.6) v1(38.94,80.9) v1(38.99,85) v1(39.14,103.95) v1(39.39,101.35) v1(39.44,95.6) v1(39.89,77.25) v1(41.49,83.05) v1(42.09,100.45) v1(43.54,59.6) v1(44.14,64) v1(44.49,123.85) v1(44.74,86.1) v1(45.04,82.3) v1(45.24,118.8) v1(47.04,89.35) v1(47.04,70.6) v1(47.09,127.55) v1(47.29,108.15) v1(48.39,136.75) v1(50.29,116.9) v1(50.49,97.7) v1(51.54,51.7) v1(53.24,88.9) v1(53.44,70.25) v1(53.54,102.65) v1(53.74,127.15) v1(53.74,108.2) v1(54.04,117.1) v1(54.94,58.3) v1(55.29,52.3) v1(55.39,47.2) v1(55.84,106) v1(57.64,79.9) v1(57.94,83.9) v1(57.99,102.1) v1(58.19,63.9) v1(58.09,55.5) v1(58.44,88.1) v1(58.69,138) v1(58.74,122) v1(59.99,127.4) v1(60.04,48.45) v1(60.34,89.5) v1(60.34,34.2) v1(61.34,105.8) v1(62.04,39.1) v1(62.94,109.5) v1(65.64,46.2) v1(65.74,126.7) v1(65.99,134.95) v1(65.99,88.85) v1(66.24,71.1) v1(66.19,25.1) v1(67.99,143.35) v1(68.79,32.9) v1(70.84,27.6) v1(72.09,125.4) v1(72.39,115.35) v1(72.49,135.35) v1(72.54,108.6) v1(72.49,31.4) v1(72.64,96.2) v1(72.64,88.05) v1(72.64,77.2) v1(72.74,38.5) v1(74.69,132.75) v1(76.34,47.5) v1(76.79,73.3) v1(76.99,76.7) v1(77.39,124.9) v1(77.44,110.25) v1(77.49,31.2) v1(77.59,134.35) v1(77.59,91.9) v1(77.74,129.9) v1(77.89,95.95) v1(77.94,86.6) v1(78.29,115.25) v1(78.84,105.6) v1(79.39,142.55) v1(79.39,39.4) v1(79.74,49.6) v1(80.04,73.7) v1(80.29,67.7) v1(80.34,55.7) v1(82.34,32.3) v1(82.54,90.5) v1(84.14,35.5) v1(84.74,74.9) v1(84.79,69.2) v1(84.94,112.7) v1(85.04,49.5) v1(85.14,132.35) v1(85.64,25.25) v1(86.44,141.25) v1(86.94,21.25) v1(87.04,33.8) v1(87.64,86.4) v1(88.39,83) v1(88.59,123.45) v1(89.74,49.5) v1(91.69,105.6) v1(92.14,39.45) v1(93.44,93.3) v1(93.44,86.6) v1(93.54,123) v1(93.54,112.4) v1(93.64,131.6) v1(93.74,74.5) v1(93.84,69.3) v1(94.84,47.4) v1(95.14,31.65) v1(95.64,122.8) v1(95.64,86.2) v1(95.69,7.1) v1(95.94,106.2) v1(96.04,111.8) v1(96.04,25.6) v1(96.14,92.6) v1(96.14,68.75) v1(96.34,130.6) v1(97.14,73.65) v1(97.84,118.8) v1(97.94,98.9) v1(98.54,38.6) v1(98.74,79.6) v1(99.54,136.55) v1(101.54,83.8) v1(101.64,121.65) v1(101.99,31.45) v1(102.04,12.6) v1(103.84,38.85) v1(103.84,35.4) v1(103.94,124.9) v1(104.09,106) v1(104.14,86.9) v1(104.14,67.8) v1(105.34,45.4) v1(105.39,2.35) v1(105.89,115.8) v1(106.59,47.85) v1(106.74,31.3) v1(107.24,79.55) v1(107.29,76.25) v1(108.29,21.65) v1(108.84,6.65) v1(110.04,97.95) v1(110.59,106.15) v1(111.04,21.75) v1(111.14,16.15) v1(111.24,36.8) v1(112.29,135.65) v1(112.34,79.85) v1(112.54,115.9) v1(112.64,86.4) v1(112.74,124.4) v1(112.84,102.75) v1(114.24,45.55) v1(114.34,6.9) v1(114.54,21.45) v1(114.74,66.2) v1(114.94,115.7) v1(115.14,97.8) v1(115.24,123.8) v1(115.24,105.4) v1(117.54,21.7) v1(117.99,36.5) v1(118.34,137.3) v1(118.44,68.9) v1(118.74,125.4) v1(119.04,106.3) v1(119.34,30.2) v1(119.79,20.2) v1(120.59,73.9) v1(120.74,130.55) v1(122.94,96.4) v1(122.94,77.75) v1(123.04,58.3) v1(123.14,115.15) v1(123.59,35.55) v1(124.84,140.55) v1(126.34,22.2) v1(126.94,105.05) v1(127.74,27.6) v1(128.24,43.9) v1(128.74,13.1) v1(129.44,115.55) v1(129.49,58.4) v1(129.59,96.4) v1(129.99,140.3) v1(130.19,86.2) v1(130.34,29.9) v1(130.49,77.2) v1(130.94,69.6) v1(131.69,90.65) v1(132.14,55.3) v1(132.64,38.2) v1(133.14,34.9) v1(133.54,127.6) v1(133.84,115.6) v1(133.94,40.6) v1(134.19,141.2) v1(134.09,92.7) v1(134.09,77.8) v1(134.14,73.85) v1(134.54,124.55) v1(134.64,53.75) v1(135.84,22.75) v1(136.84,105.25) v1(136.79,53.65) v1(137.29,129.75) v1(137.34,29.25) v1(138.14,95.45) v1(138.34,123.9) v1(138.59,142.95) v1(139.44,44.85) v1(139.69,21.2) v1(140.39,74.8) v1(141.04,105.2) v1(140.99,63.4) v1(141.44,98.55) v1(143.19,92.6) v1(143.69,113.2) v1(143.89,31.65) v1(144.54,50.4) v1(144.54,35.2) v1(144.74,103) v1(145.34,136.8) v1(145.84,127.15) v1(145.89,140.9) v1(146.34,94.55) v1(146.34,80.7) v1(146.34,69) v1(146.54,126) v1(146.64,124.85) v1(146.64,123.6) v1(146.69,128) v1(147.19,122.45) v1(147.34,121.05) v1(147.44,128.9) v1(147.74,48.3) v1(147.79,120.1) v1(148.64,119.25) v1(149.04,125.15) v1(149.19,139.2) v1(149.49,118.45) v1(149.59,126.15) v1(150.34,124.05) v1(150.34,117.75) v1(150.34,24) v1(150.64,37.7) v1(150.74,31.2) v1(150.94,135.3) v1(151.19,123.5) v1(151.24,117.15) v1(151.59,112.15) v1(151.89,122.85) v1(152.34,67) v1(152.54,116.7) v1(152.69,122.15) v1(152.89,49) v1(153.44,121.3) v1(153.64,115.95) v1(154.04,120.55) v1(154.19,72.1) v1(154.59,119.85) v1(154.84,42.7) v1(154.94,115.88) v1(155.19,132.45) v1(155.29,122.35) v1(155.29,50.1) v1(155.89,117.95) v1(155.89,115.9) v1(156.79,117.95) v1(156.79,115.9) v1(157.49,97.75) v1(158.09,104.25) v1(158.44,96) v1(158.54,62.15) v1(159.04,96.55) v1(159.12,115.88) v1(159.44,118.1) v1(159.64,97.15) v1(159.79,131.85) v1(160.09,115.88) v1(160.24,102.25) v1(160.54,118.1) v1(160.54,63.05) v1(160.94,108.95) v1(161.64,49.75) v1(161.74,118.1) v1(162.04,101.45) v1(162.27,115.85) v1(162.19,82.65) v1(162.94,118.1) v1(163.39,86.6) v1(163.59,108.95) v1(163.74,90.05) v1(164.04,63.25) v1(164.14,118.1) v1(164.42,115.88) v1(164.49,109.2) v1(165.09,109.85) v1(165.39,118.1) v1(165.44,107.5) v1(165.79,36.95) v1(166.19,97.3) v1(166.49,63.5) v1(166.59,117.9) v1(167.34,117.15) v1(167.64,42.6) v1(167.79,116.2) v1(168.99,132.85) v1(169.44,37.2) v1(169.59,50) v1(169.64,96.35) v1(170.24,118.1) v1(170.94,106.8) v1(171.59,98.6) v1(172.24,60.7) v1(172.44,122.75) v1(173.74,117.3) v1(174.74,109.4) v1(176.64,65.25) v1(176.69,60.1) v1(176.99,79.25) v1(177.44,74.55) v1(177.44,49.3) v1(177.54,72.1) v1(178.39,91.8) v1(178.84,123.5) v1(179.39,110.05) v1(180.44,80.45) v1(182.34,103.95) v1(182.39,60.1) v1(182.49,55.4) v1(182.64,89.2) v1(184.84,61.7) v1(184.84,54.4) v1(185.44,84.4) v2(136.24,42.05) v2(158.04,105) v2(160.24,58.55) v2(160.39,39.3)
VBUS: length 88
  Top w0.55: U4.1 162.24,104.95 C10.1 158.24,106.15 v3(158.24,106.15) ; U5.5 156.37,110.83 U5.5 156.17,110.83 U5.1 ; 157.62,114.52 159.07,114.52 ; Q3.2 Q3.2
  Bottom w0.55: 159.77,109.62 159.77,110.12 U5.5 ; 159.77,109.62 159.77,108.59 158.24,107.06 v3(158.24,106.15) ; 159.77,109.62 159.77,110.93 ; U5.5 U5.1 156.37,110.83 U5.5 156.17,110.83 U5.1 ; U5.5 159.67,110.83 159.77,110.93 ; U5.5 U5.1 ; U5.5 159.77,111.53 159.77,112.55 ; U7.5 153.16,118.28 154.35,118.28 154.87,118.8 157.57,118.8 157.87,118.5 ; U4.3 167.69,102.25 164.85,102.25 163.64,103.45 163.64,104.55 ; 159.07,114.52 159.77,113.82 159.77,112.55 ; 159.07,114.52 154.92,114.52 ; 159.07,114.52 157.87,115.72 157.87,118.5 ; 163.64,104.55 164.85,105.75 ; 163.64,104.55 164.05,104.95 U4.1 164.34,105.25 164.85,105.75 ; 164.85,105.75 167.69,105.75 ; 167.69,105.75 168.54,106.6 168.54,109.15 R1.1 ; 167.69,105.75 U4.1 ; 159.77,112.55 159.77,110.93 ; Q3.2 Q3.2 165.25,123.35 164.62,122.71 164.62,120.13 163.77,119.27 158.64,119.27 157.87,118.5
VDD: length 218.3
  Top w0.55: v3(171.54,102.4) C7.1 170.69,99.3 C9.1 ; v3(93.84,52.25) 90.24,55.85 v3(89.49,55.85) ; 180.42,72.1 180.42,70.65 ; U4.6 167.69,105.6 169.29,105.6 U4.6 U4.6 ; U8.1 U8.1 ; v3(94.64,49.55) 107.99,49.55 110.05,47.5 138.59,47.5 142.59,51.5 146.44,51.5 150.14,47.8 153.84,47.8 154.94,46.7 160.04,46.7 162.14,48.8 172.84,48.8 174.44,50.4 178.04,50.4 179.14,51.5 179.14,58.76 180.44,60.07 180.44,66.15 v3(180.54,66.25) ; C7.1 173.94,102.15
  Bottom w0.55: 93.84,52.2 93.84,50.35 v3(94.64,49.55) ; 93.84,52.2 v3(93.84,52.25) ; 93.84,52.2 93.84,59.5 U8.1 92.79,62.45 92.79,64.77 91.92,65.65 U8.1 ; 180.42,74.8 180.42,70.65 180.44,70.62 180.44,68.1 ; 174.55,100.95 173.79,101.71 C7.1 ; 174.55,100.95 175.64,100.95 176.04,100.55 U3.1 176.34,100.25 176.85,99.75 176.85,96.9 U3.1 177.24,96.1 179.1,94.25 179.1,86.9 181.35,84.65 181.35,71.55 180.44,70.65 180.44,68.1 ; 174.55,100.95 174.14,100.55 U3.3 174.07,100.25 173.34,99.52 173.34,96.9 U3.3 ; U4.6 167.04,104.95 U4.6 ; C9.1 167.44,97.4 TP3.1 ; R14.1 C13.1 88.49,61.8 88.49,56.85 v3(89.49,55.85) ; 180.44,68.1 180.44,66.35 v3(180.54,66.25) ; U4.6 170.24,104.95 171.54,103.65 v3(171.54,102.4)
(no net):
  vias: v1(41.04,60.9) v1(45.79,61.85) v1(131.64,108.6) v1(147.84,62.3) v1(159.44,127.35)
/SHIELD1: length 5.7
  Top w0.9: 54.69,139.9 54.69,145.18 DRILL1.1
/SHIELD2: length 5.1
  Top w0.9: FB2.1 9.8,133.59 DRILL2.1
/SHIELD3: length 6.4
  Top w0.9: 10.19,50.8 7.25,47.86 DRILL3.1
/SHIELD4: length 6.7
  Bottom w0.55: FB4.1 65.64,32.31 62.15,28.81
